# KiCad board 60rtho_2.kicad_pcb (continued)
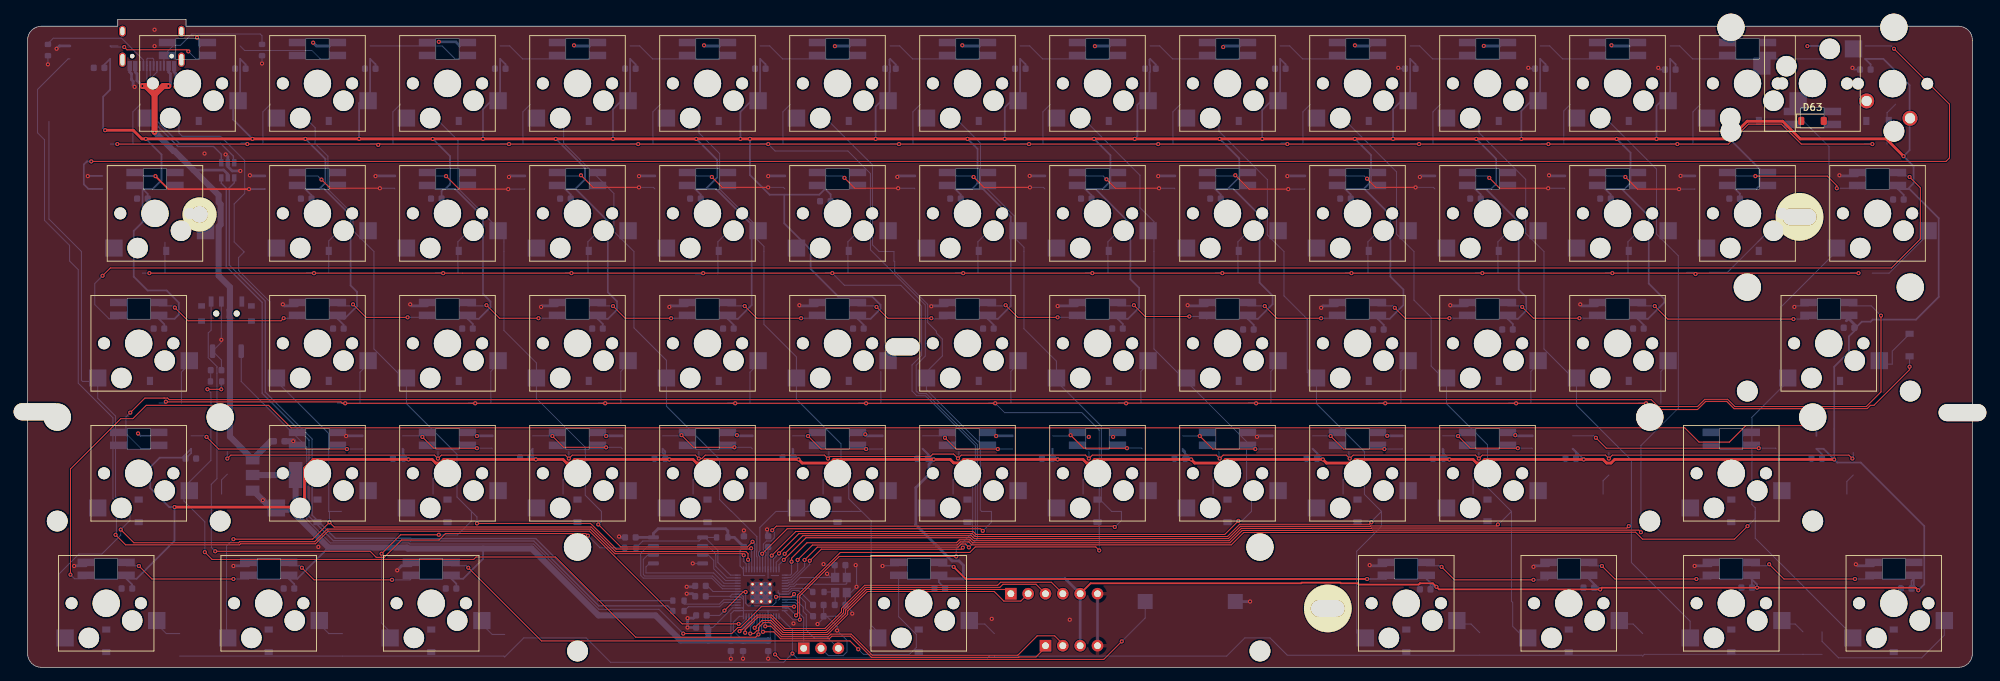
[diagram p0: board, top side]
## Routing (per net, layer and track width the routed paths; a pad name or vN(x,y) marks a point on that pad's centre or on a via; arc(x,y) is an arc through that point) (continued)
COL9: length 142.4
  Front w0.152: v1(109.04,16.38) 112.57,19.91 138.56,19.91 138.99,19.48 175.43,19.48 v1(177.43,21.48)
  Back w0.152: v1(109.04,16.38) 108.91,16.25 U62.11 ; v1(177.43,21.48) 177.96,21.48 179.34,22.86 179.34,25.44 178.63,26.16 178.63,33.1 165.05,46.67 165.05,65.34 163,67.39 163,72.13 155.53,79.61 155.53,80.01
COL10: length 182
  Front w0.152: v1(110.11,16.7) 113.02,19.61 138.43,19.61 138.86,19.18 175.81,19.18 177.61,20.98 196.63,20.98 v1(196.91,21.26)
  Back w0.152: 174.58,80.01 174.58,78.59 181.67,71.5 181.67,63.39 184.1,60.96 184.1,54.46 187.52,51.05 187.52,43.26 188.87,41.91 188.87,38.65 195.9,31.62 195.9,25.35 198.39,22.86 ; U62.12 109.31,15.89 v1(110.11,16.7) ; 196.01,3.81 194.75,5.06 194.75,17.02 198.39,20.65 198.39,22.86 ; 198.39,22.86 196.91,21.38 v1(196.91,21.26)
COL11: length 199.3
  Front w0.152: v1(215.46,20.95) 215.23,20.73 196.81,20.73 196.76,20.67 177.74,20.67 175.93,18.87 138.74,18.87 138.3,19.3 113.6,19.3 v1(110.93,16.64)
  Back w0.152: v1(215.46,20.95) 215.54,20.95 217.44,22.86 ; 217.44,22.86 217.44,9.7 217.61,9.52 217.61,6.02 219.82,3.81 ; 217.44,22.86 213.93,26.37 213.93,32.64 207.92,38.65 207.92,41.91 205.68,44.15 205.68,51.31 203.15,53.83 203.15,60.96 200.6,63.52 200.6,72.64 193.63,79.61 193.63,80.01 ; v1(110.93,16.64) 109.71,15.41 U62.13
COL12: length 217.5
  Front w0.152: v1(110.81,15.75) 114.06,19 138.18,19 138.61,18.57 176.06,18.57 177.86,20.37 196.89,20.37 196.94,20.42 234.35,20.42 v1(234.63,20.7)
  Back w0.152: 212.68,80.01 212.68,78.38 219.52,71.54 219.52,63.64 222.2,60.96 222.2,46.67 226.97,41.91 226.97,38.4 235.01,30.35 235.01,15.37 243.62,6.76 243.62,3.81 ; v1(234.63,20.7) 235.01,21.08 ; v1(110.81,15.75) 110.11,15.04 U62.14
COL13: length 196.7
  Front w0.152: v1(111.95,15.49) 111.95,16 114.21,18.26 136.11,18.26 136.54,18.69 138.05,18.69 138.48,18.26 176.19,18.26 177.99,20.06 197.01,20.06 197.06,20.12 236.11,20.12 v1(236.41,19.81)
  Back w0.152: v1(111.95,15.49) 111.95,13.71 111.76,13.52 U62.15 ; v1(236.41,19.81) 236.41,32.51 241.9,38 241.9,60.32 238.7,63.52 238.7,73.04 231.73,80.01
COL14: length 239.3
  Front w0.152: v1(112.84,15.75) 115.02,17.93 136.21,17.93 136.67,18.39 137.93,18.39 138.36,17.96 176.39,17.96 178.19,19.76 197.14,19.76 197.19,19.81 235.62,19.81 236.64,18.79 250.13,18.79 v1(252.03,20.7)
  Back w0.152: v1(252.03,20.7) 253.16,21.83 253.16,22.86 ; v1(112.84,15.75) 112.84,14.17 111.84,13.17 110.99,13.17 U62.16 ; 267.44,3.81 267.44,4.66 253.16,18.94 253.16,22.86 ; 253.16,22.86 253.16,23.38 252.67,23.87 252.67,36.65 257.92,41.91 256.86,42.97 256.86,52.75 265.07,60.96 263.97,62.06 263.97,76.34 260.3,80.01
Data+: length 112.8
  Back w0.2: R3.1 83.57,9.78 74.47,18.87 56.19,18.87 56.15,18.92 45.09,18.92 41.69,22.32 41.69,33.49 34.83,40.35 34.83,53.69 29.56,58.95 29.56,70.3 30.29,71.02 U63.4
Data-: length 114
  Back w0.2: R4.1 93.79,9.02 83.69,9.02 74.19,18.52 56.05,18.52 56,18.56 44.81,18.56 41.24,22.13 41.24,33.31 34.38,40.16 34.38,53.5 29.11,58.77 29.11,70.23 28.39,70.96 U63.6
I2C1_SCL: length 46.6
  Front w0.152: v1(107.76,5.21) 109.34,5.21 110.35,4.19 117.47,4.19 117.86,4.57 120.56,4.57 123.66,1.47 145.22,1.47 145.27,1.52 147.76,1.52 149.42,3.17
  Back w0.152: v1(107.76,5.21) 107.56,5.41 107.56,6.28 107.71,6.42 U62.35
I2C1_SDA: length 49.2
  Front w0.152: v1(108.09,6.02) 108.95,6.02 110.48,4.49 117.35,4.49 117.73,4.88 120.69,4.88 123.79,1.78 145.1,1.78 147.94,4.62 150.51,4.62 151.96,3.17
  Back w0.152: U62.34 108.11,6.03 v1(108.09,6.02)
LED: length 119.7
  Front w0.152: v1(26.35,40.77) v1(28.38,40.77) ; v1(25.97,16.89) 27.04,15.82 65.37,15.82 65.72,16.18 77.36,16.18 89.12,4.42 106.69,4.42 v1(107.1,4.82)
  Back w0.152: R8.2 28.38,41.85 v1(28.38,40.77) ; U62.36 107.26,7.43 107.26,5.41 107.1,5.26 v1(107.1,4.82) ; v1(26.35,40.77) 26.86,40.26 26.86,30.33 22.92,26.4 22.92,24.38 25.97,21.33 v1(25.97,16.89)
RGBData1: length 176.9
  Front w0.152: v1(104.2,6.37) 95.92,6.37 82.33,19.96 44.03,19.96 42.18,18.11 31.21,18.11 31.05,17.96 14.36,17.96 v1(12.89,19.43)
  Back w0.152: 6.19,89.19 5.94,89.19 1.46,84.71 1.46,78.36 2.48,77.34 2.48,65.53 6.16,61.85 6.16,59.56 7.43,58.29 7.43,41.65 12.51,36.57 12.51,24.76 13.02,24.26 13.02,19.56 v1(12.89,19.43) ; v1(104.2,6.37) 104.63,6.37 105.31,7.05 U62.41
RGBData2: length 306
  Front w0.152: v1(273.49,90.68) 281.62,82.55 281.62,74.67 281.11,74.17 v1(9.33,74.17)
  Back w0.152: v1(273.49,90.68) 273.08,91.09 269.27,91.09
  Back w0.254: 263.37,91.09 260.83,91.09 v1(260.79,91.06) ; 10.96,70.14 8.92,70.14 8.24,70.81 8.24,73.71 8.7,74.17 v1(9.33,74.17)
RGBData3: length 289.2
  Front w0.152: v1(10.99,57.4) 12.13,58.55 273.11,58.55 277.36,62.79 277.36,70.31 v1(275.78,71.88)
  Back w0.152: v1(275.78,71.88) 275.62,72.04 274.03,72.04 ; v1(10.99,57.4) 9.84,56.26 9.84,53.18 11.94,51.09 13.34,51.09
RGBData4: length 284.1
  Front w0.152: v1(271.59,51.56) 271.59,40.38 269.43,38.23 250.18,38.23 249.11,39.29 245.77,39.29 244.7,38.23 238.95,38.23 237.93,39.24 20.75,39.24 20.52,39.47 20.01,39.47 20.01,39.47 17.19,39.47 v1(15.05,37.34)
  Back w0.152: v1(271.59,51.56) 270.16,52.99 266.89,52.99 ; v1(15.05,37.34) 14.41,36.7 14.41,34.29 16.67,32.04 18.07,32.04
RGBData5: length 282
  Front w0.152: v1(6.29,13.59) 6.29,29.08 13.65,36.45 15.43,36.45 17.39,38.41 35.31,38.41 38.61,35.11 242.83,35.11 244.92,33.02 249.36,33.02 251.78,35.43 v1(261.43,35.43)
  Back w0.152: v1(6.29,13.59) 6.89,12.99 8.58,12.99
  Back w0.254: v1(261.43,35.43) 262.13,34.74 262.13,33.94
ROW1: length 386.3
  Front w0.152: v1(113.86,15.75) 115.74,17.63 136.34,17.63 136.79,18.08 137.44,18.08 v1(137.93,17.59) ; v1(51.37,76.58) 51.5,76.71 51.63,76.71 ; 51.63,76.71 v1(70.55,76.71) v1(89.47,76.71) v1(108.52,76.71) v1(127.7,76.71) v1(146.75,76.71) v1(165.67,76.71) v1(203.9,76.71) v1(222.86,76.71) v1(241.74,76.71) 249.24,76.71 252.16,79.63 256.98,79.63 259.91,76.71 v1(270.32,76.71) ; 51.63,76.71 v1(32.19,76.71) v1(13.14,76.71)
  Back w0.152: v1(113.86,15.75) 113.86,14.76 111.9,12.8 111.43,12.8 111.35,12.72 U62.17 ; v1(137.93,17.59) 139.18,18.84 139.18,32.64 131.69,40.13 130.62,40.13 130.37,40.38 130.3,40.38 130.21,40.48 130.21,44.3 131.55,45.63 131.55,53.12 126.76,57.91 126.76,57.96 123.51,61.21 123.51,72.39 120.21,75.69 109.54,75.69 v1(108.52,76.71) 107.38,76.71 ; 269.18,76.71 v1(270.32,76.71) ; 50.23,76.71 51.24,76.71 v1(51.37,76.58) ; 88.33,76.71 v1(89.47,76.71) ; 12.13,76.71 v1(13.14,76.71) ; v1(32.19,76.71) 32.07,76.83 31.18,76.83 ; 69.28,76.71 v1(70.55,76.71) ; 164.53,76.71 v1(165.67,76.71) ; v1(184.59,76.71) 184.47,76.83 183.58,76.83 ; v1(241.74,76.71) 240.86,76.71 240.73,76.83 ; 221.81,76.71 v1(222.86,76.71) ; 126.43,76.71 v1(127.7,76.71) ; 202.63,76.71 v1(203.9,76.71) ; 145.48,76.71 v1(146.75,76.71)
ROW2: length 350.8
  Front w0.152: v1(17.84,57.78) v1(41.97,57.78) v1(60.9,57.78) v1(79.69,57.78) v1(99,57.78) v1(117.92,57.78) v1(137.1,57.78) v1(156.02,57.78) v1(175.07,57.78) v1(193.99,57.78) v1(213.17,57.78) v1(232.22,57.78) 244.28,57.78 v1(244.41,57.66) 244.54,57.78 v1(268.29,57.78) ; v1(137.05,17.55) 136.82,17.32 116.32,17.32 v1(114.62,15.62)
  Back w0.152: v1(17.84,57.78) 16.83,57.78 ; 97.86,57.66 98.87,57.66 v1(99,57.78) ; 212.15,57.78 v1(213.17,57.78) ; 244.54,57.78 v1(244.41,57.66) 244.16,57.91 243.14,57.91 ; 267.02,57.78 v1(268.29,57.78) ; 174.06,57.78 v1(175.07,57.78) ; 116.91,57.78 v1(117.92,57.78) 119.7,56.01 127.95,56.01 131,52.96 131,45.72 129.6,44.32 129.6,40.51 130.29,39.83 131.56,39.83 138.87,32.51 138.87,19.37 v1(137.05,17.55) ; 231.21,57.78 v1(232.22,57.78) ; 155.01,57.78 v1(156.02,57.78) ; 40.83,57.78 v1(41.97,57.78) ; v1(114.62,15.62) 114.62,15.09 112.03,12.5 111.55,12.5 111.38,12.32 U62.18 ; 59.76,57.78 v1(60.9,57.78) ; 78.81,57.78 v1(79.69,57.78) ; 135.96,57.78 v1(137.1,57.78) ; 193.1,57.78 v1(193.99,57.78)
ROW3: length 361.8
  Front w0.152: v1(20.27,38.94) 20.29,38.91 45.91,38.91 46.11,38.71 v1(46.55,38.71) v1(65.6,38.71) v1(84.65,38.71) v1(103.7,38.71) v1(122.87,38.71) v1(141.8,38.71) 141.82,38.73 161.23,38.73 ; 161.23,38.73 161,38.73 v1(160.97,38.71) ; 161.23,38.73 180,38.73 v1(180.02,38.71) v1(198.95,38.71) v1(218.12,38.71) v1(237.17,38.71) 238.09,37.79 244.7,37.79 245.9,38.99 248.98,38.99 250.05,37.92 269.56,37.92 270.04,38.41 270.55,38.41 275.78,43.64 v1(275.78,44.07) ; v1(112.61,7.62) 112.85,7.86 112.85,10.6 119.09,16.84 138.06,16.84 138.87,17.65 156.53,17.65 v1(157.04,17.14)
  Back w0.152: v1(103.7,38.71) 103.67,38.73 102.55,38.73 ; U62.27 111.5,8.72 v1(112.61,7.62) ; v1(160.97,38.71) 160.95,38.73 159.83,38.73 ; 19.24,38.73 20.06,38.73 v1(20.27,38.94) ; v1(122.87,38.71) 122.85,38.73 121.73,38.73 ; v1(65.6,38.71) 65.57,38.73 64.58,38.73 ; v1(46.55,38.71) 46.52,38.73 45.4,38.73 ; 178.88,38.73 180,38.73 v1(180.02,38.71) ; 197.93,38.73 198.92,38.73 v1(198.95,38.71) ; 216.98,38.73 218.1,38.73 v1(218.12,38.71) ; 83.63,38.73 84.62,38.73 v1(84.65,38.71) ; v1(237.17,38.71) 237.15,38.73 236.03,38.73 ; 140.78,38.73 141.77,38.73 v1(141.8,38.71) 143.17,37.34 154.5,37.34 157.04,34.8 v1(157.04,17.14) ; D41.1 v1(275.78,44.07)
ROW4: length 302.8
  Front w0.152: v1(29.27,30.61) 29.78,31.11 59.63,31.11 v1(60.13,30.61) 60.64,31.11 78.8,31.11 v1(79.31,30.61) 79.82,31.11 97.85,31.11 v1(98.36,30.61) 98.79,30.61 99.3,31.11 116.78,31.11 v1(117.28,30.61) 117.59,30.91 132.29,30.91 132.65,31.27 135.7,31.27 v1(136.33,30.63) 136.82,31.11 155,31.11 v1(155.51,30.61) 156.02,31.11 174.18,31.11 v1(174.69,30.61) 175.2,31.11 193.23,31.11 v1(193.74,30.61) 194.25,31.11 212.15,31.11 v1(212.66,30.61) 213.17,31.11 231.2,31.11 v1(231.71,30.61) 232.22,31.11 266.89,31.11 v1(267.4,30.61) ; v1(113.15,6.98) 113.15,10.47 118.94,16.25 v1(136.08,16.25)
  Back w0.152: 117.41,31.62 117.41,30.73 v1(117.28,30.61) ; v1(136.08,16.25) 136.08,17.37 138.49,19.78 138.49,28.47 v1(136.33,30.63) 136.46,30.76 136.46,31.62 ; 98.36,31.62 v1(98.36,30.61) ; 193.61,31.62 193.61,30.73 v1(193.74,30.61) ; v1(174.69,30.61) 174.56,30.73 174.56,31.62 ; U62.28 110.94,8.22 112.18,6.98 v1(113.15,6.98) ; 155.51,31.62 v1(155.51,30.61) ; v1(29.27,30.61) 29.27,31.62 ; 212.66,31.49 v1(212.66,30.61) ; v1(267.4,30.61) 267.53,30.73 267.53,31.49 ; 60.13,31.62 v1(60.13,30.61) ; 231.71,31.49 v1(231.71,30.61) ; 79.31,31.62 v1(79.31,30.61)
ROW5: length 252.8
  Back w0.152: 262.95,1.9 236.92,1.9 236.66,1.65 236.54,1.78 184.59,1.78 182.05,4.32 178.37,4.32 175.71,1.65 140.92,1.65 140.66,1.4 112.71,1.4 v1(112.08,2.03) ; U62.29 112.08,5.51 v1(112.08,2.03) ; v1(112.08,2.03) 110.78,0.74 85.43,0.74 81.85,4.32 72.71,4.32 69.91,1.52 69.79,1.65 22.29,1.65
SPEAKER: length 65.3
  Front w0.152: v1(109.54,1.9) 110.27,1.17 157.7,1.17 v1(160.34,3.81)
  Back w0.152: v1(109.54,1.9) 109.54,6.2 108.91,6.83 U62.32 ; LS1.1 163.77,7.24 v1(160.34,3.81)
SPI1_CSn: length 43.7
  Front w0.152: v1(106.54,5.8) 107.61,6.86 108.98,6.86 110.73,5.1 117.1,5.1 119.88,7.88 119.88,8.38 122.92,11.42 143.45,11.42 J4.1
  Back w0.152: U62.37 106.91,6.16 v1(106.54,5.8)
SPI1_RX: length 55.8
  Front w0.152: v1(104.33,5.31) 104.33,5.46 104.41,5.54 104.75,5.54 106.89,7.67 109.03,7.67 110.98,5.71 116.84,5.71 119.27,8.14 119.27,8.63 122.66,12.03 142.14,12.03 142.59,12.48 150.01,12.48 J4.4
  Back w0.152: U62.40 105.71,6.68 v1(104.33,5.31)
SPI1_SCK: length 49.1
  Front w0.152: J4.2 145.54,9.72 143.05,9.72 141.65,11.12 123.04,11.12 120.18,8.26 120.18,7.76 117.22,4.8 110.61,4.8 108.85,6.56 107.84,6.56 107.1,5.82 107.1,5.36 106.84,5.36 106.44,4.95 v1(105.9,4.95)
  Back w0.152: v1(105.9,4.95) 105.9,5.95 106.51,6.55 U62.38
SPI1_TX: length 52.5
  Front w0.152: v1(105.15,5.07) 105.15,5.5 107.01,7.36 108.9,7.36 110.86,5.41 116.97,5.41 119.57,8.01 119.57,8.51 122.79,11.73 142.47,11.73 142.92,12.18 147.78,12.18 J4.3
  Back w0.152: v1(105.15,5.07) 105.15,5.63 106.11,6.58 U62.39
Net-(C13-Pad1): length 3.5
  Back w0.152: C13.1 118.34,9.19 Y1.3 118.26,11.05 R5.2
Net-(D1-Pad2): length 6.3
  Back w0.152: 15.43,76.71 15.43,81.43 16.55,82.55
Net-(D2-Pad2): length 6.2
  Back w0.152: 34.48,76.83 34.48,81.42 35.6,82.55
Net-(D3-Pad2): length 6.3
  Back w0.152: 54.65,82.55 53.53,81.42 53.53,76.71
Net-(D4-Pad2): length 6.3
  Back w0.152: 73.7,82.55 72.58,81.42 72.58,76.71
Net-(D5-Pad2): length 6.3
  Back w0.152: 91.63,76.71 91.63,81.42 92.75,82.55
Net-(D6-Pad2): length 6.3
  Back w0.152: 111.8,82.55 110.68,81.42 110.68,76.71
Net-(D7-Pad2): length 6.3
  Back w0.152: 129.73,76.71 129.73,81.42 130.85,82.55
Net-(D8-Pad2): length 6.3
  Back w0.152: 149.9,82.55 148.78,81.42 148.78,76.71
Net-(D9-Pad2): length 6.3
  Back w0.152: 167.83,76.71 167.83,81.42 168.95,82.55
Net-(D10-Pad2): length 6.2
  Back w0.152: 186.88,76.83 186.88,81.42 188,82.55
Net-(D11-Pad2): length 6.3
  Back w0.152: 205.93,76.71 205.93,81.42 207.05,82.55
Net-(D12-Pad2): length 6.3
  Back w0.152: 225.11,76.71 225.11,81.55 226.1,82.55
Net-(D13-Pad2): length 6.2
  Back w0.152: 244.03,76.83 244.03,81.42 245.15,82.55
Net-(D14-Pad2): length 6.4
  Back w0.152: 272.48,76.71 272.48,81.3 273.73,82.55
Net-(D15-Pad2): length 4.5
  Back w0.152: 20.13,57.78 20.13,62.31
Net-(D16-Pad2): length 6.1
  Back w0.152: 45.13,63.5 44.13,62.5 44.13,57.78
Net-(D17-Pad2): length 6.2
  Back w0.152: 63.06,57.78 63.06,62.38 64.18,63.5
Net-(D18-Pad2): length 6.2
  Back w0.152: 82.11,57.78 82.11,62.38 83.23,63.5
Net-(D19-Pad2): length 6.3
  Back w0.152: 101.16,57.66 101.16,62.38 102.28,63.5
Net-(D20-Pad2): length 6.2
  Back w0.152: 120.21,57.78 120.21,62.38 121.33,63.5
Net-(D21-Pad2): length 6.2
  Back w0.152: 139.26,57.78 139.26,62.38 140.38,63.5
Net-(D22-Pad2): length 6.2
  Back w0.152: 159.43,63.5 158.31,62.38 158.31,57.78
Net-(D23-Pad2): length 6.2
  Back w0.152: 178.48,63.5 177.36,62.38 177.36,57.78
Net-(D24-Pad2): length 6.2
  Back w0.152: 196.4,57.78 196.4,62.37 197.53,63.5
Net-(D25-Pad2): length 6.2
  Back w0.152: 216.58,63.5 215.45,62.37 215.45,57.78
Net-(D26-Pad2): length 6.2
  Back w0.152: 234.51,57.78 234.51,62.38 235.63,63.5
Net-(D27-Pad2): length 12.1
  Back w0.152: 253.56,62.38 254.68,63.5 249.09,57.91 246.44,57.91
Net-(D28-Pad2): length 12.2
  Back w0.152: 270.32,57.78 272.78,57.78 278.49,63.5 277.3,62.31
Net-(D29-Pad2): length 6.2
  Back w0.152: 23.7,44.45 22.54,43.29 22.54,38.73
Net-(D30-Pad2): length 6.2
  Back w0.152: 48.7,38.73 48.7,43.26 49.89,44.45
Net-(D31-Pad2): length 6.2
  Back w0.152: 67.88,38.73 67.88,43.39 68.94,44.45
Net-(D32-Pad2): length 6.2
  Back w0.152: 86.93,38.73 86.93,43.39 87.99,44.45
Net-(D33-Pad2): length 6.2
  Back w0.152: 105.85,38.73 105.85,43.26 107.04,44.45
Net-(D34-Pad2): length 4.7
  Back w0.152: 125.03,38.73 125.03,43.39
Net-(D35-Pad2): length 6.2
  Back w0.152: 145.14,44.45 144.08,43.39 144.08,38.73
Net-(D36-Pad2): length 6.2
  Back w0.152: 163.13,38.73 163.13,43.39 164.19,44.45
Net-(D37-Pad2): length 6.2
  Back w0.152: 183.24,44.45 182.18,43.39 182.18,38.73
Net-(D38-Pad2): length 6.2
  Back w0.152: 201.23,38.73 201.23,43.39 202.29,44.45
Net-(D39-Pad2): length 6.2
  Back w0.152: 221.34,44.45 220.28,43.39 220.28,38.73
Net-(D40-Pad2): length 6.2
  Back w0.152: 240.39,44.45 239.33,43.39 239.33,38.73
Net-(D41-Pad2): length 7.4
  Back w0.152: 271.35,44.45 273.24,44.45 273.24,46.35 D41.2
Net-(D42-Pad2): length 3.3
  Back w0.152: 29.27,28.32 28.43,27.47 28.43,25.4
Net-(D43-Pad2): length 3.2
  Back w0.152: 60.13,28.32 59.42,27.6 59.42,25.4
Net-(D44-Pad2): length 3.3
  Back w0.152: 78.47,25.4 78.47,27.47 79.31,28.32
Net-(D45-Pad2): length 3.3
  Back w0.152: 98.36,28.32 97.52,27.47 97.52,25.4
Net-(D46-Pad2): length 3.3
  Back w0.152: 117.41,28.32 116.57,27.47 116.57,25.4
Net-(D47-Pad2): length 3.3
  Back w0.152: 135.62,25.4 135.62,27.47 136.46,28.32
Net-(D48-Pad2): length 3.3
  Back w0.152: 155.51,28.32 154.67,27.47 154.67,25.4
Net-(D49-Pad2): length 3.3
  Back w0.152: 173.72,25.4 173.72,27.48 174.56,28.32
Net-(D50-Pad2): length 3.3
  Back w0.152: 193.61,28.32 192.77,27.47 192.77,25.4
Net-(D51-Pad2): length 3.3
  Back w0.152: 212.66,28.32 211.82,27.48 211.82,25.4
Net-(D52-Pad2): length 3.1
  Back w0.152: 230.87,25.4 230.87,27.35 231.71,28.19
Net-(D53-Pad2): length 3.2
  Back w0.152: 266.59,25.4 266.59,27.25 267.53,28.19
Net-(D54-Pad2): length 3.9
  Back w0.152: 22.29,4.95 20.33,4.95 18.94,6.35
Net-(D55-Pad2): length 4
  Back w0.152: 46.16,4.95 44.15,4.95 42.75,6.35
Net-(D56-Pad2): length 4
  Back w0.152: 66.56,6.35 68.09,4.82 69.91,4.82
Net-(D57-Pad2): length 4.3
  Back w0.152: 141.67,4.95 140.27,6.35 138,6.35
Net-(D58-Pad2): length 3.9
  Back w0.152: 209.44,6.35 211.52,6.35 212.79,5.08
Net-(D59-Pad2): length 4
  Back w0.152: 233.25,6.35 235.27,6.35 236.66,4.95
Net-(D60-Pad2): length 3.6
  Back w0.152: 257.05,6.35 259.02,6.35 260.16,5.2
Net-(D61-Pad2): length 23.3
  Back w0.152: 280.86,6.35 280.86,4.7 277.56,1.4 265.37,1.4 262.95,3.81 262.95,5.2
Net-(D62-Pad2): length 1.7
  Back w0.152: R8.1 26.84,41.95 D62.2
Net-(J1-PadA5): length 16.6
  Back w0.152: R1.2 2.98,91.44 3.77,92.22 13.79,92.22 16.97,89.03 J1.A5
Net-(J1-PadB5): length 18.6
  Back w0.152: J1.B5 19.97,89.76 21.4,91.18 22.42,91.18 24.07,92.84 34.1,92.84 34.35,92.58 R2.2
Net-(R3-Pad2): length 8.6
  Back w0.152: R3.2 96.2,9.3 96.24,9.27 101.36,9.27 102.01,9.92 U62.47
Net-(R4-Pad2): length 8.4
  Back w0.152: R4.2 96.84,8.89 101.41,8.89 102.04,9.52 U62.46
Net-(R7-Pad2): length 100.6
  Front w0.152: v1(27.5,17.02) 50.2,17.02 51.09,16.13 52.26,16.13 54.8,18.67 60.29,18.67 61.23,19.61 81.8,19.61 v1(82.11,19.3)
  Back w0.152: 26.9,53.63 26.9,49.44 26.48,49.02 26.48,45.38 27.75,44.1 27.75,44.01 27.74,44 27.74,43.12 27.75,43.11 27.75,27.66 26.92,26.83 26.92,17.59 v1(27.5,17.02) ; v1(82.11,19.3) 83.88,17.52 87.5,17.52
Net-(U1-Pad5): length 1.4
  Back w0.406: v1(24.83,92.3) 25.24,91.89 25.24,91.09
Net-(U2-Pad5): length 2.6
  Back w0.406: v1(41.85,91.57) 42.32,91.09 44.29,91.09
Net-(U3-Pad5): length 17.3
  Back w0.152: 50.19,91.09 60.74,91.09 62.64,89.19 63.34,89.19
  Back w0.406: 63.34,91.09 62.74,91.69 v1(60.26,91.69)
Net-(U4-Pad5): length 16.3
  Back w0.152: 69.24,91.09 70.65,91.09 72.55,89.19 82.39,89.19
  Back w0.406: v1(80.07,91.18) 80.17,91.09 82.39,91.09
Net-(U5-Pad5): length 16.3
  Back w0.152: 88.29,91.09 89.7,91.09 91.6,89.19 101.44,89.19
  Back w0.406: v1(99.12,91.18) 99.22,91.09 101.44,91.09
Net-(U6-Pad5): length 16.1
  Back w0.152: 120.49,89.19 110.65,89.19 108.75,91.09 107.34,91.09
  Back w0.406: 120.49,91.09 118.33,91.09 v1(118.3,91.06)
Net-(U7-Pad5): length 16.6
  Back w0.152: 126.39,91.09 127.8,91.09 129.7,89.19 139.54,89.19
  Back w0.406: v1(136.97,91.18) 137.07,91.09 139.54,91.09
Net-(U8-Pad5): length 16.1
  Back w0.152: 145.44,91.09 146.85,91.09 148.75,89.19 158.59,89.19
  Back w0.406: v1(156.4,91.06) 156.43,91.09 158.59,91.09
Net-(U10-Pad4): length 16.5
  Back w0.152: 177.64,89.19 167.8,89.19 165.9,91.09 164.49,91.09
  Back w0.406: v1(175.2,90.93) 175.35,91.09 177.64,91.09
Net-(U10-Pad5): length 16.2
  Back w0.152: 196.69,89.19 186.85,89.19 184.95,91.09 183.54,91.09
  Back w0.406: 196.69,91.09 194.6,91.09 v1(194.5,91.18)
Net-(U11-Pad5): length 16.3
  Back w0.152: 215.74,89.19 205.9,89.19 204,91.09 202.59,91.09
  Back w0.406: 215.74,91.09 v1(213.39,91.09)
Net-(U12-Pad5): length 16.7
  Back w0.152: 221.64,91.09 223.05,91.09 224.95,89.19 234.79,89.19
  Back w0.406: 234.79,91.09 232.19,91.09 v1(232.09,91.18)
Net-(U13-Pad5): length 23.5
  Back w0.152: 263.37,89.19 244,89.19 242.1,91.09 240.69,91.09
Net-(U27-Pad5): length 18.9
  Front w0.152: v1(253.17,72.01) 263.72,72.01 265.11,70.61 v1(265.11,70.23)
  Back w0.152: 250.22,72.04 253.14,72.04 v1(253.17,72.01) ; v1(265.11,70.23) 268.04,70.23 268.13,70.14
Net-(U29-Pad5): length 21.4
  Front w0.152: v1(37.53,51.18) 37.15,50.8 23.52,50.8 v1(21.58,52.74)
  Back w0.152: 39.53,51.09 39.44,51.18 v1(37.53,51.18) ; v1(21.58,52.74) 21.33,52.99 19.24,52.99
Net-(U30-Pad5): length 14.1
  Front w0.152: v1(55.69,51.31) 49.59,51.31 v1(47.69,53.21)
  Back w0.152: 58.58,51.09 58.36,51.31 v1(55.69,51.31) ; v1(47.69,53.21) 47.47,52.99 45.43,52.99
Net-(U31-Pad5): length 14
  Front w0.152: v1(74.87,51.18) 69.15,51.18 v1(67.25,53.08)
  Back w0.152: v1(67.25,53.08) 67.15,52.99 64.48,52.99 ; v1(74.87,51.18) 77.54,51.18 77.63,51.09
Net-(U32-Pad5): length 13.9
  Front w0.152: v1(85.79,52.96) 87.57,51.18 v1(94.3,51.18)
  Back w0.152: 96.68,51.09 96.59,51.18 v1(94.3,51.18) ; 83.53,52.99 85.76,52.99 v1(85.79,52.96)
Net-(U33-Pad5): length 13.9
  Front w0.152: v1(113.35,51.18) 106.87,51.18 v1(105.09,52.96)
  Back w0.152: v1(105.09,52.96) 105.06,52.99 102.58,52.99 ; 115.73,51.09 115.64,51.18 v1(113.35,51.18)
Net-(U34-Pad5): length 13.9
  Front w0.152: v1(132.42,51.18) 126.05,51.18 v1(124.4,52.83)
  Back w0.152: v1(124.4,52.83) 124.24,52.99 121.63,52.99 ; 134.78,51.09 132.51,51.09 v1(132.42,51.18)
Net-(U35-Pad5): length 14
  Front w0.152: v1(150.94,51.31) 145.1,51.31 v1(143.32,53.08)
  Back w0.152: v1(150.94,51.31) 153.61,51.31 153.83,51.09 ; 140.68,52.99 143.22,52.99 v1(143.32,53.08)
Net-(U36-Pad5): length 14
  Front w0.152: v1(170.24,51.43) 163.77,51.43 v1(162.12,53.08)
  Back w0.152: 172.88,51.09 172.75,51.09 172.4,51.43 v1(170.24,51.43) ; 159.73,52.99 162.02,52.99 v1(162.12,53.08)
Net-(U37-Pad5): length 13.9
  Front w0.152: v1(181.29,52.96) 183.07,51.18 v1(189.55,51.18)
  Back w0.152: v1(189.55,51.18) 191.84,51.18 191.93,51.09 ; v1(181.29,52.96) 181.26,52.99 178.78,52.99
Net-(U38-Pad5): length 13.9
  Front w0.152: v1(200.34,52.7) 201.87,51.18 v1(208.34,51.18)
  Back w0.152: v1(200.34,52.7) 200.06,52.99 197.83,52.99 ; 210.98,51.09 210.89,51.18 v1(208.34,51.18)
Net-(U39-Pad5): length 13.9
  Front w0.152: v1(227.39,51.18) 220.66,51.18 v1(219.01,52.83)
  Back w0.152: 216.88,52.99 218.85,52.99 v1(219.01,52.83) ; 230.03,51.09 229.94,51.18 v1(227.39,51.18)
Net-(U40-Pad5): length 25.9
  Front w0.152: v1(238.44,52.96) 240.35,51.05 v1(258.76,51.05)
  Back w0.152: 235.93,52.99 238.41,52.99 v1(238.44,52.96) ; 260.99,51.09 260.95,51.05 v1(258.76,51.05)
Net-(U42-Pad5): length 27.9
  Front w0.152: v1(26.23,33.78) 28,32 v1(46.8,32)
  Back w0.152: v1(46.8,32) 49.02,32 49.06,32.04 ; 23.97,33.94 26.07,33.94 v1(26.23,33.78)
  Back w0.254: v1(16.19,34.29) 16.54,33.94 18.07,33.94
Net-(U43-Pad5): length 13.9
  Front w0.152: v1(65.85,32.13) 59.5,32.13 v1(57.85,33.78)
  Back w0.152: 54.96,33.94 57.69,33.94 v1(57.85,33.78) ; v1(65.85,32.13) 68.02,32.13 68.11,32.04
Net-(U44-Pad5): length 16.2
  Front w0.152: v1(76.9,33.91) 78.55,32.26 v1(84.77,32.26)
  Back w0.152: v1(76.9,33.91) 76.87,33.94 74.01,33.94 ; v1(84.77,32.26) 86.94,32.26 87.16,32.04
  Back w0.406: 68.11,33.94 65.88,33.94 v1(65.85,33.91)
Net-(U45-Pad5): length 16.4
  Front w0.152: v1(103.57,32.26) 97.6,32.26 v1(95.82,34.03)
  Back w0.152: v1(95.82,34.03) 95.73,33.94 93.06,33.94 ; 106.21,32.04 105.99,32.26 v1(103.57,32.26)
  Back w0.406: 87.16,33.94 84.8,33.94 v1(84.77,33.91)
Net-(U46-Pad5): length 16.3
  Front w0.152: v1(114.36,33.91) 116.27,32 v1(122.87,32)
  Back w0.152: 112.11,33.94 114.33,33.94 v1(114.36,33.91) ; v1(122.87,32) 125.22,32 125.26,32.04
  Back w0.406: 106.21,33.94 104.05,33.94 v1(103.95,34.03)
Net-(U47-Pad5): length 16.6
  Front w0.152: v1(142.18,32) 136.08,32 v1(134.43,33.65)
  Back w0.152: v1(142.18,32) 144.27,32 144.31,32.04 ; 131.16,33.94 134.14,33.94 v1(134.43,33.65)
  Back w0.406: 125.26,33.94 122.97,33.94 v1(122.75,34.16)
Net-(U48-Pad5): length 16.4
  Front w0.152: v1(161.1,32.13) 154.75,32.13 v1(152.84,34.03)
  Back w0.152: v1(152.84,34.03) 152.75,33.94 150.21,33.94 ; 163.36,32.04 163.27,32.13 v1(161.1,32.13)
  Back w0.406: v1(141.92,33.91) 141.95,33.94 144.31,33.94
Net-(U49-Pad5): length 14
  Front w0.152: v1(171.77,33.91) 173.67,32 v1(179.9,32)
  Back w0.152: 182.41,32.04 182.37,32 v1(179.9,32) ; 169.26,33.94 171.74,33.94 v1(171.77,33.91)
  vias: v1(159.07,33.78)
Net-(U50-Pad5): length 14
  Front w0.152: v1(198.82,32) 192.85,32 v1(190.94,33.91)
  Back w0.152: 188.31,33.94 190.91,33.94 v1(190.94,33.91) ; 201.46,32.04 201.42,32 v1(198.82,32)
Net-(U51-Pad5): length 16.2
  Front w0.152: v1(218.38,32.13) 211.39,32.13 v1(209.61,33.91)
  Back w0.152: v1(209.61,33.91) 209.58,33.94 207.36,33.94 ; v1(218.38,32.13) 220.42,32.13 220.51,32.04
  Back w0.406: 201.46,33.94 v1(199.23,33.94)
Net-(U52-Pad5): length 33.2
  Front w0.152: v1(253.68,32.13) 231.33,32.13 v1(229.81,33.65)
  Back w0.152: 226.41,33.94 229.52,33.94 v1(229.81,33.65) ; 256.23,32.04 256.13,32.13 v1(253.68,32.13)
  Back w0.406: 220.51,33.94 218.09,33.94 v1(218,34.03)
Net-(U54-Pad5): length 18.7
  Front w0.152: v1(16.32,14.86) 18.22,12.95 v1(30.16,12.95)
  Back w0.152: v1(16.32,14.86) 16.29,14.89 14.48,14.89 ; 32.39,12.99 32.35,12.95 v1(30.16,12.95)
Net-(U55-Pad5): length 18.8
  Front w0.152: v1(40.2,14.6) 41.97,12.83 v1(53.4,12.83)
  Back w0.152: 56.2,12.99 56.04,12.83 v1(53.4,12.83) ; v1(40.2,14.6) 39.91,14.89 38.29,14.89
Net-(U56-Pad5): length 85.1
  Front w0.152: v1(121.72,2.66) 120.51,3.87 75.31,3.87 v1(64.58,14.6)
  Back w0.152: 127.64,12.99 127.64,7.43 130.24,4.82 130.24,2.92 129.22,1.9 122.47,1.9 v1(121.72,2.66) ; 62.1,14.89 64.29,14.89 v1(64.58,14.6)
Net-(U57-Pad5): length 66.4
  Front w0.254: v1(135.7,14.73) 137.48,12.95 v1(196.28,12.95)
  Back w0.254: 199.08,12.99 199.04,12.95 v1(196.28,12.95) ; v1(135.7,14.73) 135.54,14.89 133.54,14.89
Net-(U58-Pad5): length 18.8
  Front w0.152: v1(220.66,12.83) 209.11,12.83 v1(207.2,14.73)
  Back w0.152: v1(220.66,12.83) 222.72,12.83 222.89,12.99 ; 204.98,14.89 207.04,14.89 v1(207.2,14.73)
Net-(U59-Pad5): length 18.7
  Front w0.152: v1(244.54,12.95) 232.6,12.95 v1(230.7,14.86)
  Back w0.152: v1(244.54,12.95) 246.65,12.95 246.69,12.99 ; 228.79,14.89 230.66,14.89 v1(230.7,14.86)
Net-(U60-Pad5): length 18.9
  Front w0.152: v1(267.78,12.95) 257.37,12.95 v1(255.21,15.11)
  Back w0.152: 252.59,14.89 254.98,14.89 v1(255.21,15.11) ; 270.5,12.99 270.46,12.95 v1(267.78,12.95)

## Copper pours and planes (outline as drawn; the poured copper is in the pictures)
+3V3 on Back: 104.08,19.94 97.47,19.94 97.47,19.05 88.58,19.05 88.58,20.83 104.08,20.83
+3V3 on Back: 110.3,8.13 104.84,8.13 104.84,8.76 109.92,8.76 109.92,9.9 110.3,10.29
+3V3 on Back: 110.3,10.67 109.41,10.92 109.41,12.83 104.71,12.83 104.71,13.71 110.3,13.71
+3V3 on Back: 105.09,4.57 108.52,4.57 108.52,3.81 99,3.81 99,6.48 100.52,6.48 103.19,8.76 105.09,8.76
+3V3 on Back: 104.08,18.29 104.97,18.29 104.97,13.97 103.06,13.97 101.54,15.49 101.54,18.16 101.79,18.16 101.79,20.06 104.08,20.06
GND on Front: 288.86,-5.72 -0.7,-5.72 -0.7,98.42 288.86,98.42
GND on Back: 291.4,-2.54 111.44,-4.07 92.9,-3.81 -3.24,-2.54 -3.24,96.52 291.4,96.52 ; 1 cut-out

## Text on the board
B.Silkscreen: JLCJLCJLCJLC | Boot | Reset | CLK GND SWD | GND 3V3 SCK TX RX CS | GND 3V3 SDA SCL | TheReflex 2026 | Run | 60rtho / by / Pedro / Quaresma | By Pedro Quaresma 2026 / helped by the wisdom of Markus Knutsson | SPI1 | I2C1
